# KiCad board GripperBoard.kicad_pcb
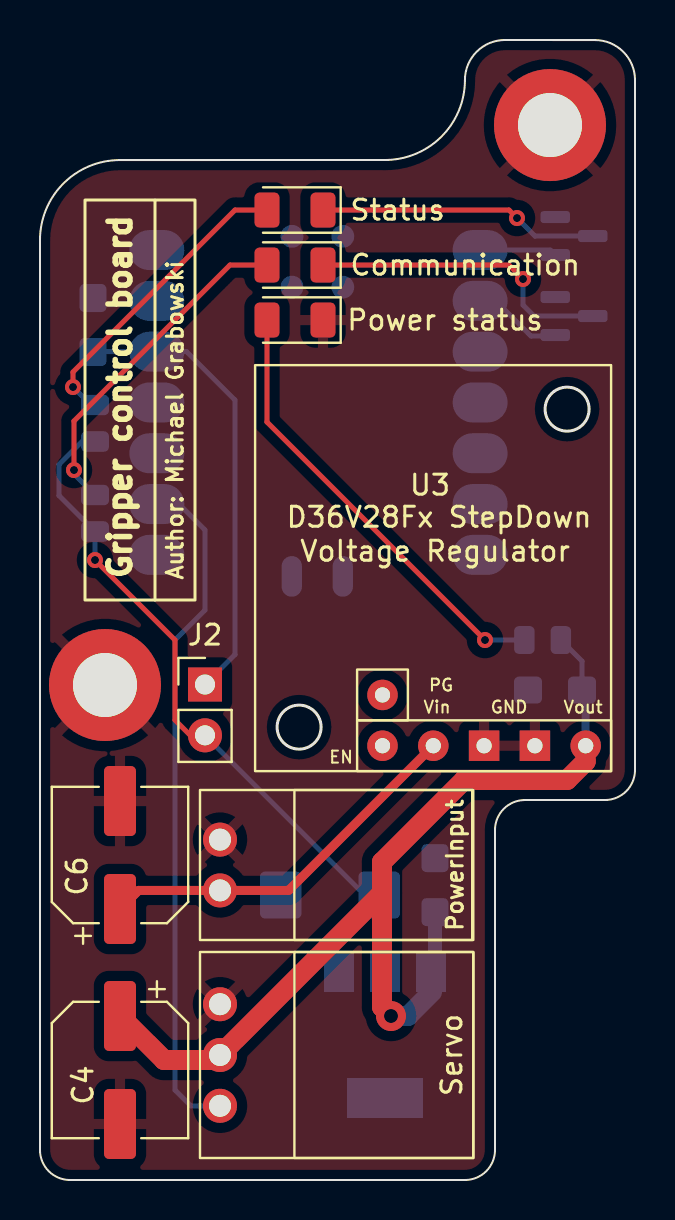
[diagram p0: board, top side]
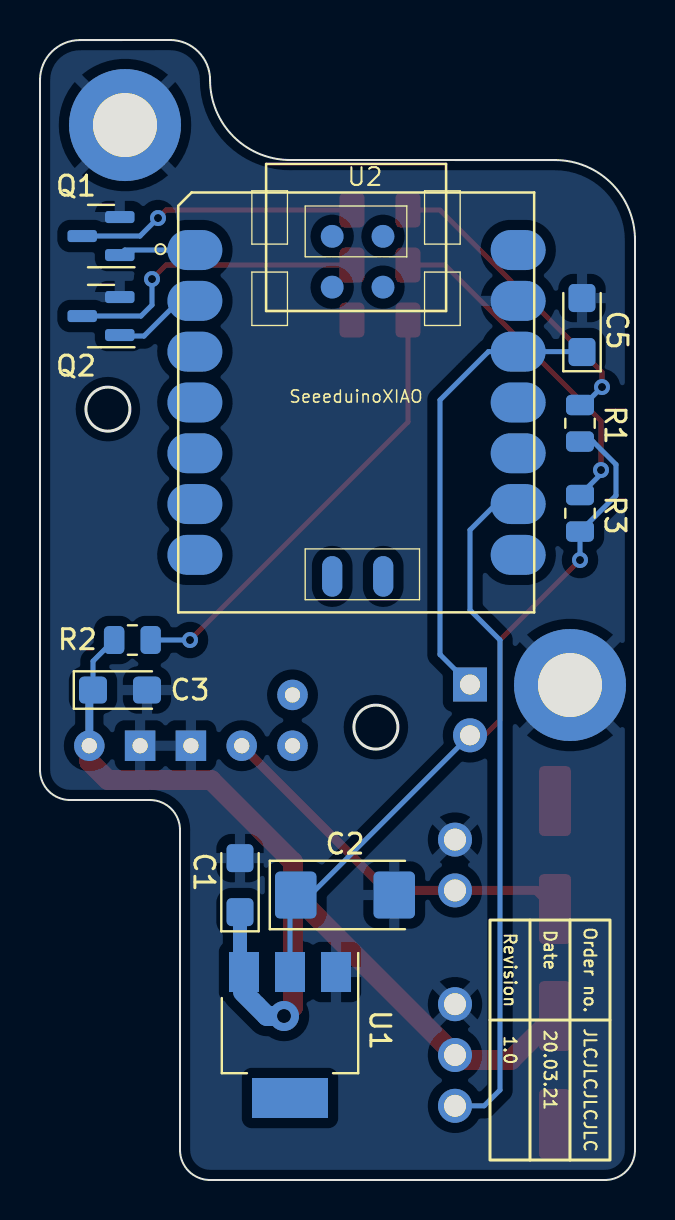
[diagram p1: board, bottom side, seen from below]

Outline 29.75 x 57 mm; copper layers: Top, Bottom. Coordinates in mm from the lower left corner of the outline.
Outline path: circle c12.96,22.64 r1.1 ; circle c26.35,38.55 r1.1 ; 0,47 0,1.5 arc(0.44,0.44) 1.5,0 21.25,0 arc(22.31,0.44) 22.75,1.5 22.75,17.5 arc(23.19,18.56) 24.25,19 28.25,19 arc(29.31,19.44) 29.75,20.5 29.75,55 arc(29.16,56.41) 27.75,57 23.25,57 arc(21.83,56.42) 21.25,55 arc(20.05,52.15) 17.18,51 4,51 arc(1.17,49.83) 0,47
Stack: Top 0.035mm / dielectric 1.51mm FR4 er 4.5 / Bottom 0.035mm

## Placement (name value [footprint] x y rotation side)
C1  C  [CP_EIA-3216-18_Kemet-A]  19.75 14.75 90 bottom
C2  C  [CP_EIA-6032-28_Kemet-C]  14.5 14.25 180 bottom
C3  C  [CP_EIA-3216-18_Kemet-A]  25.75 24.5 180 bottom
C4  C  [CP_Elec_6.3x5.8]  4 5.5 270 top
C5  C  [CP_EIA-3216-18_Kemet-A]  2.65 42.75 90 bottom
C6  C  [CP_Elec_6.3x5.8]  4 16.25 90 top
Communication  LED_B  [LED_1206_3216Metric]  12.75 45.75 180 top
H1  MH_Pad  [MountingHole_3.2mm_M3_DIN965_Pad]  25.5 52.75 0 top
H2  MH_Pad  [MountingHole_3.2mm_M3_DIN965_Pad]  3.25 24.75 90 top
J2  Zworka  [PinHeader_1x02_P2.54mm_Vertical]  8.25 24.78 0 top
Power status  PowerStatus  [LED_1206_3216Metric]  12.75 43 180 top
PowerInput  PowerIN  [Molex_SL_x02]  9 15.75 90 top
Q1  Q_NPN_BEC_BRT  [SOT-23]  26.7 47.2 0 bottom
Q2  Q_NPN_BEC_BRT  [SOT-23]  26.7 43.2 0 bottom
R1  100R  [R_0805_2012Metric]  2.75 37.84 90 bottom
R2  330R  [R_0805_2012Metric]  25.13 27 180 bottom
R3  22R  [R_0805_2012Metric]  2.75 33.34 90 bottom
Servo  Motor_Servo  [Molex_SL_x03]  9 6.25 90 top
Status  LED_Y  [LED_1206_3216Metric]  12.75 48.5 180 top
U1  LM1117-3.3  [SOT-223]  17.25 7.25 270 bottom
U2  SeeeduinoXIAO  [Seeeduino XIAO-MOUDLE14P-2.54-21X17.8MM]  22.84 28.38 180 bottom
U3  D36V28Fx  [D36V28Fx StepDown Voltage Regulator]  29.06 19.94 0 top

## Footprints (pads in the part's own frame, mm; a bottom-side part is the same pattern mirrored in y, then rotated)
CP_EIA-3216-18_Kemet-A
  rrect 1.4x1.35 smd: 1(-1.35,0) 2(1.35,0)
CP_EIA-6032-28_Kemet-C
  rrect 2.075x2.35 smd: 1(-2.462,0) 2(2.462,0)
CP_Elec_6.3x5.8
  rrect 3.5x1.6 smd: 1(-2.7,0) 2(2.7,0)
D36V28Fx StepDown Voltage Regulator
  oval 1.524x1.524 hole 0.762: 1(-1.77,1.77)
  rect 1.524x1.524 hole 0.762: 2(-6.85,1.77) 2(-4.31,1.77)
  round 1.524 hole 0.762: 3(-9.39,1.77) 4(-11.93,1.77) 5(-11.93,4.31)
LED_1206_3216Metric
  rrect 1.25x1.75 smd: 1(-1.4,0) 2(1.4,0)
Molex_SL_x02
  round 1.7 hole 1.1: 1(-1.27,0) 2(1.27,0)
Molex_SL_x03
  round 1.7 hole 1.1: 1(-2.54,0) 2(0,0) 3(2.54,0)
MountingHole_3.2mm_M3_DIN965_Pad
  round 5.6 hole 3.2: 1(0,0)
PinHeader_1x02_P2.54mm_Vertical
  rect 1.7x1.7 hole 1: 1(0,0)
  oval 1.7x1.7 hole 1: 2(0,-2.54)
R_0805_2012Metric
  rrect 1.025x1.4 smd: 1(-0.912,0) 2(0.912,0)
Seeeduino XIAO-MOUDLE14P-2.54-21X17.8MM
  oval 2.748x1.999 smd: 1(0.833,18.118) 2(0.833,15.578) 3(0.833,13.038) 4(0.833,10.498) 5(0.833,7.958) 6(0.833,5.418) 7(0.833,2.878) 8(16.998,2.878) 9(16.998,5.418) 10(16.998,7.958) 11(16.998,10.498) 12(16.998,13.038) 13(16.998,15.578) 14(16.998,18.118)
  oval 1.016x2.032 smd: 15(7.7,1.8) 16(10.25,1.8)
  round 1.143 smd: 17(7.699,18.804) 18(10.239,18.804) 19(7.699,16.264) 20(10.239,16.264)
SOT-23
  rrect 1.475x0.6 smd: 1(-0.938,0.95) 2(-0.938,-0.95) 3(0.938,0)
SOT-223
  rect 2x1.5 smd: 1(-3.15,2.3) 2(-3.15,0) 3(-3.15,-2.3)
  rect 2x3.8 smd: 4(3.15,0)

## Nets
+3V3: C2.1 J2.2 R1.1 R3.1 U1.2
+6V: C1.1 C3.1 C4.1 R2.1 Servo.2 U1.3 U3.1
GND: C1.2 C2.2 C3.2 C4.2 C5.2 C6.2 H1.1 H2.1 Power status.1 PowerInput.2 Q1.2 Q2.2 Servo.3 U1.1 U2.13 U3.2
VCC: C6.1 PowerInput.1 U3.3
LED1: Q1.1 U2.1
LED2: Q2.1 U2.2
Servo1: Servo.1 U2.9
Net-(C5-Pad1): C5.1 J2.1 U2.12
Net-(D1-Pad1): Q1.3 Status.1
Net-(D1-Pad2): R1.2 Status.2
Net-(D3-Pad1): Communication.1 Q2.3
Net-(D3-Pad2): Communication.2 R3.2
Net-(PowerStatus1-Pad2): Power status.2 R2.2

Pads without a net: U1 4; U2 3 4 5 6 7 8 10 11 14 15 16 17 18 19 20; U3 4 5

## Via types
v1: diameter 0.8, hole 0.4, Top to Bottom, 6 vias
v2: diameter 1.5, hole 0.7, Top to Bottom, 1 via

## Routing (per net, layer and track width the routed paths; a pad name or vN(x,y) marks a point on that pad's centre or on a via; arc(x,y) is an arc through that point)
+3V3: length 35.3
  Top w0.25: v1(2.75,31) 6.75,27 6.75,23 7.51,22.23 J2.2
  Bottom w0.25: 2.75,36.92 2.1,36.92 0.95,35.78 0.95,34.22 2.75,32.42 v1(2.75,31) ; J2.2 16.24,14.25 C2.1 17.25,13.96 U1.2
+6V: length 49.8
  Top w0.7: 8.75,6 Servo.2
  Top w1: Servo.2 17.1,14.35 ; 17.1,14.35 17.1,8.65 v2(17.55,8.2) ; 17.1,14.35 17.1,15.9 21.2,20 26.35,20 27.28,20.93 27.28,21.72 ; C4.1 6.2,6 8.75,6
  Bottom w0.25: R2.1 27.1,25.94 C3.1
  Bottom w0.4: 27.28,21.72 27.28,24.31 C3.1
  Bottom w0.7: U1.3 19.75,10.6 C1.1
  Bottom w1: v2(17.55,8.2) 18.4,8.2 19.6,9.4
VCC: length 19
  Top w0.45: C6.1 4.93,14.48 PowerInput.1 12.43,14.48 19.66,21.72
LED1: length 3.9
  Bottom w0.25: Q1.1 25.51,46.5 U2.1
LED2: length 4.5
  Bottom w0.25: Q2.1 25.71,42.2 24.55,42.2 22.79,43.96 U2.2
Servo1: length 34.1
  Bottom w0.25: U2.9 6.95,33.8 8.25,32.5 8.25,28.5 6.75,27 6.75,4.5 7.54,3.71 Servo.1
Net-(C5-Pad1): length 23
  Bottom w0.25: C5.1 2.67,41.42 U2.12 7.33,41.42 9.75,39 9.75,26.28 J2.1
Net-(D1-Pad1): length 14
  Top w0.25: v1(23.85,48.1) 23.45,48.5 Status.1
  Bottom w0.25: Q1.3 24.75,47.2 v1(23.85,48.1)
Net-(D1-Pad2): length 15.3
  Top w0.25: Status.2 9.75,48.5 1.65,40.4 v1(1.65,39.65)
  Bottom w0.25: R1.2 2.55,38.75 v1(1.65,39.65)
Net-(D3-Pad1): length 15.3
  Top w0.25: v1(24.15,45.05) 23.45,45.75 Communication.1
  Bottom w0.25: Q2.3 24.7,43.2 24.15,43.75 v1(24.15,45.05)
Net-(D3-Pad2): length 17
  Top w0.25: Communication.2 9.5,45.75 1.7,37.95 v1(1.7,35.5)
  Bottom w0.25: R3.2 1.7,35.3 v1(1.7,35.5)
Net-(PowerStatus1-Pad2): length 22.5
  Top w0.25: Power status.2 11.35,37.9 v1(22.25,27)
  Bottom w0.25: v1(22.25,27) R2.2

## Copper pours and planes (outline as drawn; the poured copper is in the pictures)
GND on Top, Bottom: 40.25,-3 -9.75,-3 -9.75,62 40.25,62

## Text on the board
B.Silkscreen: Order no. | JLCJLCJLCJLC | Date | 20.03.21 | Revision | 1.0
F.Silkscreen: Author: Michael Grabowski | Gripper control board
